# Altium PCB PCB1.PcbDoc (part 1 of 2)
Units mm, origin at the board's own origin, x right, y up, seen from the top; angles counter-clockwise.
Board outline 99.31 x 99.06 mm, 2 copper layers (Top Layer, Bottom Layer); 240 components, 194 nets, 883 pads, 354 vias.
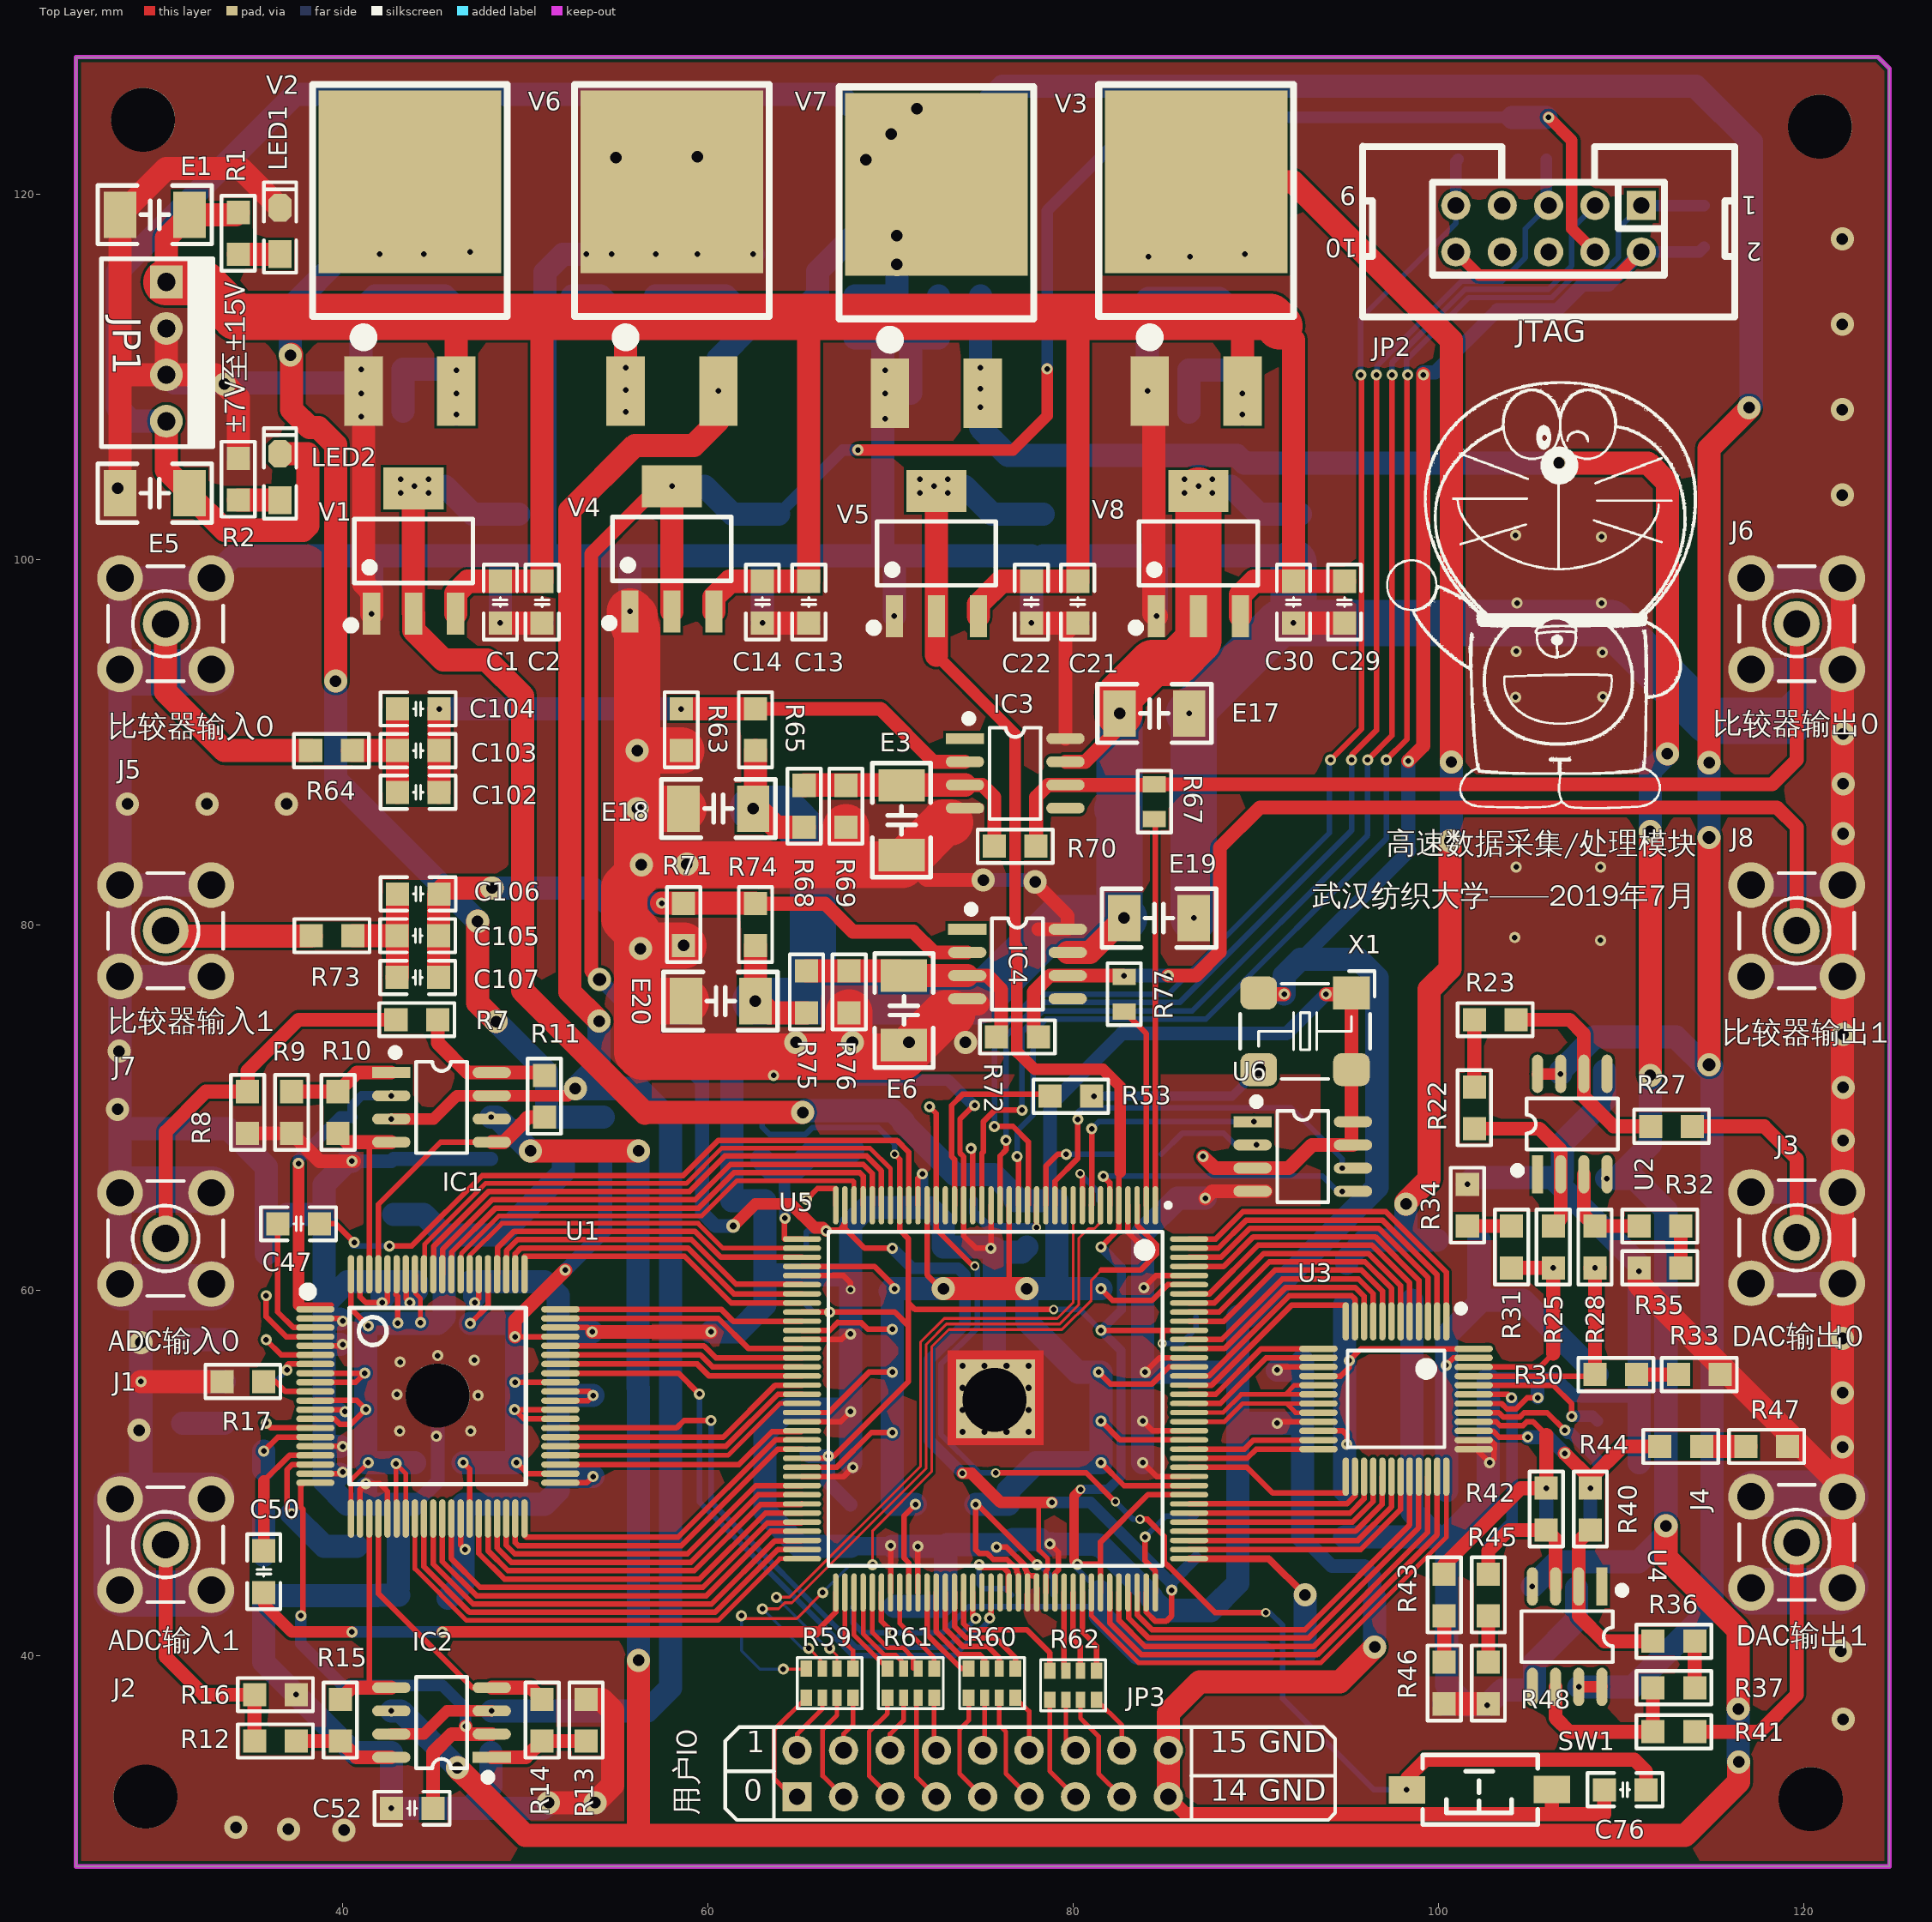
[diagram p0: Top Layer view]
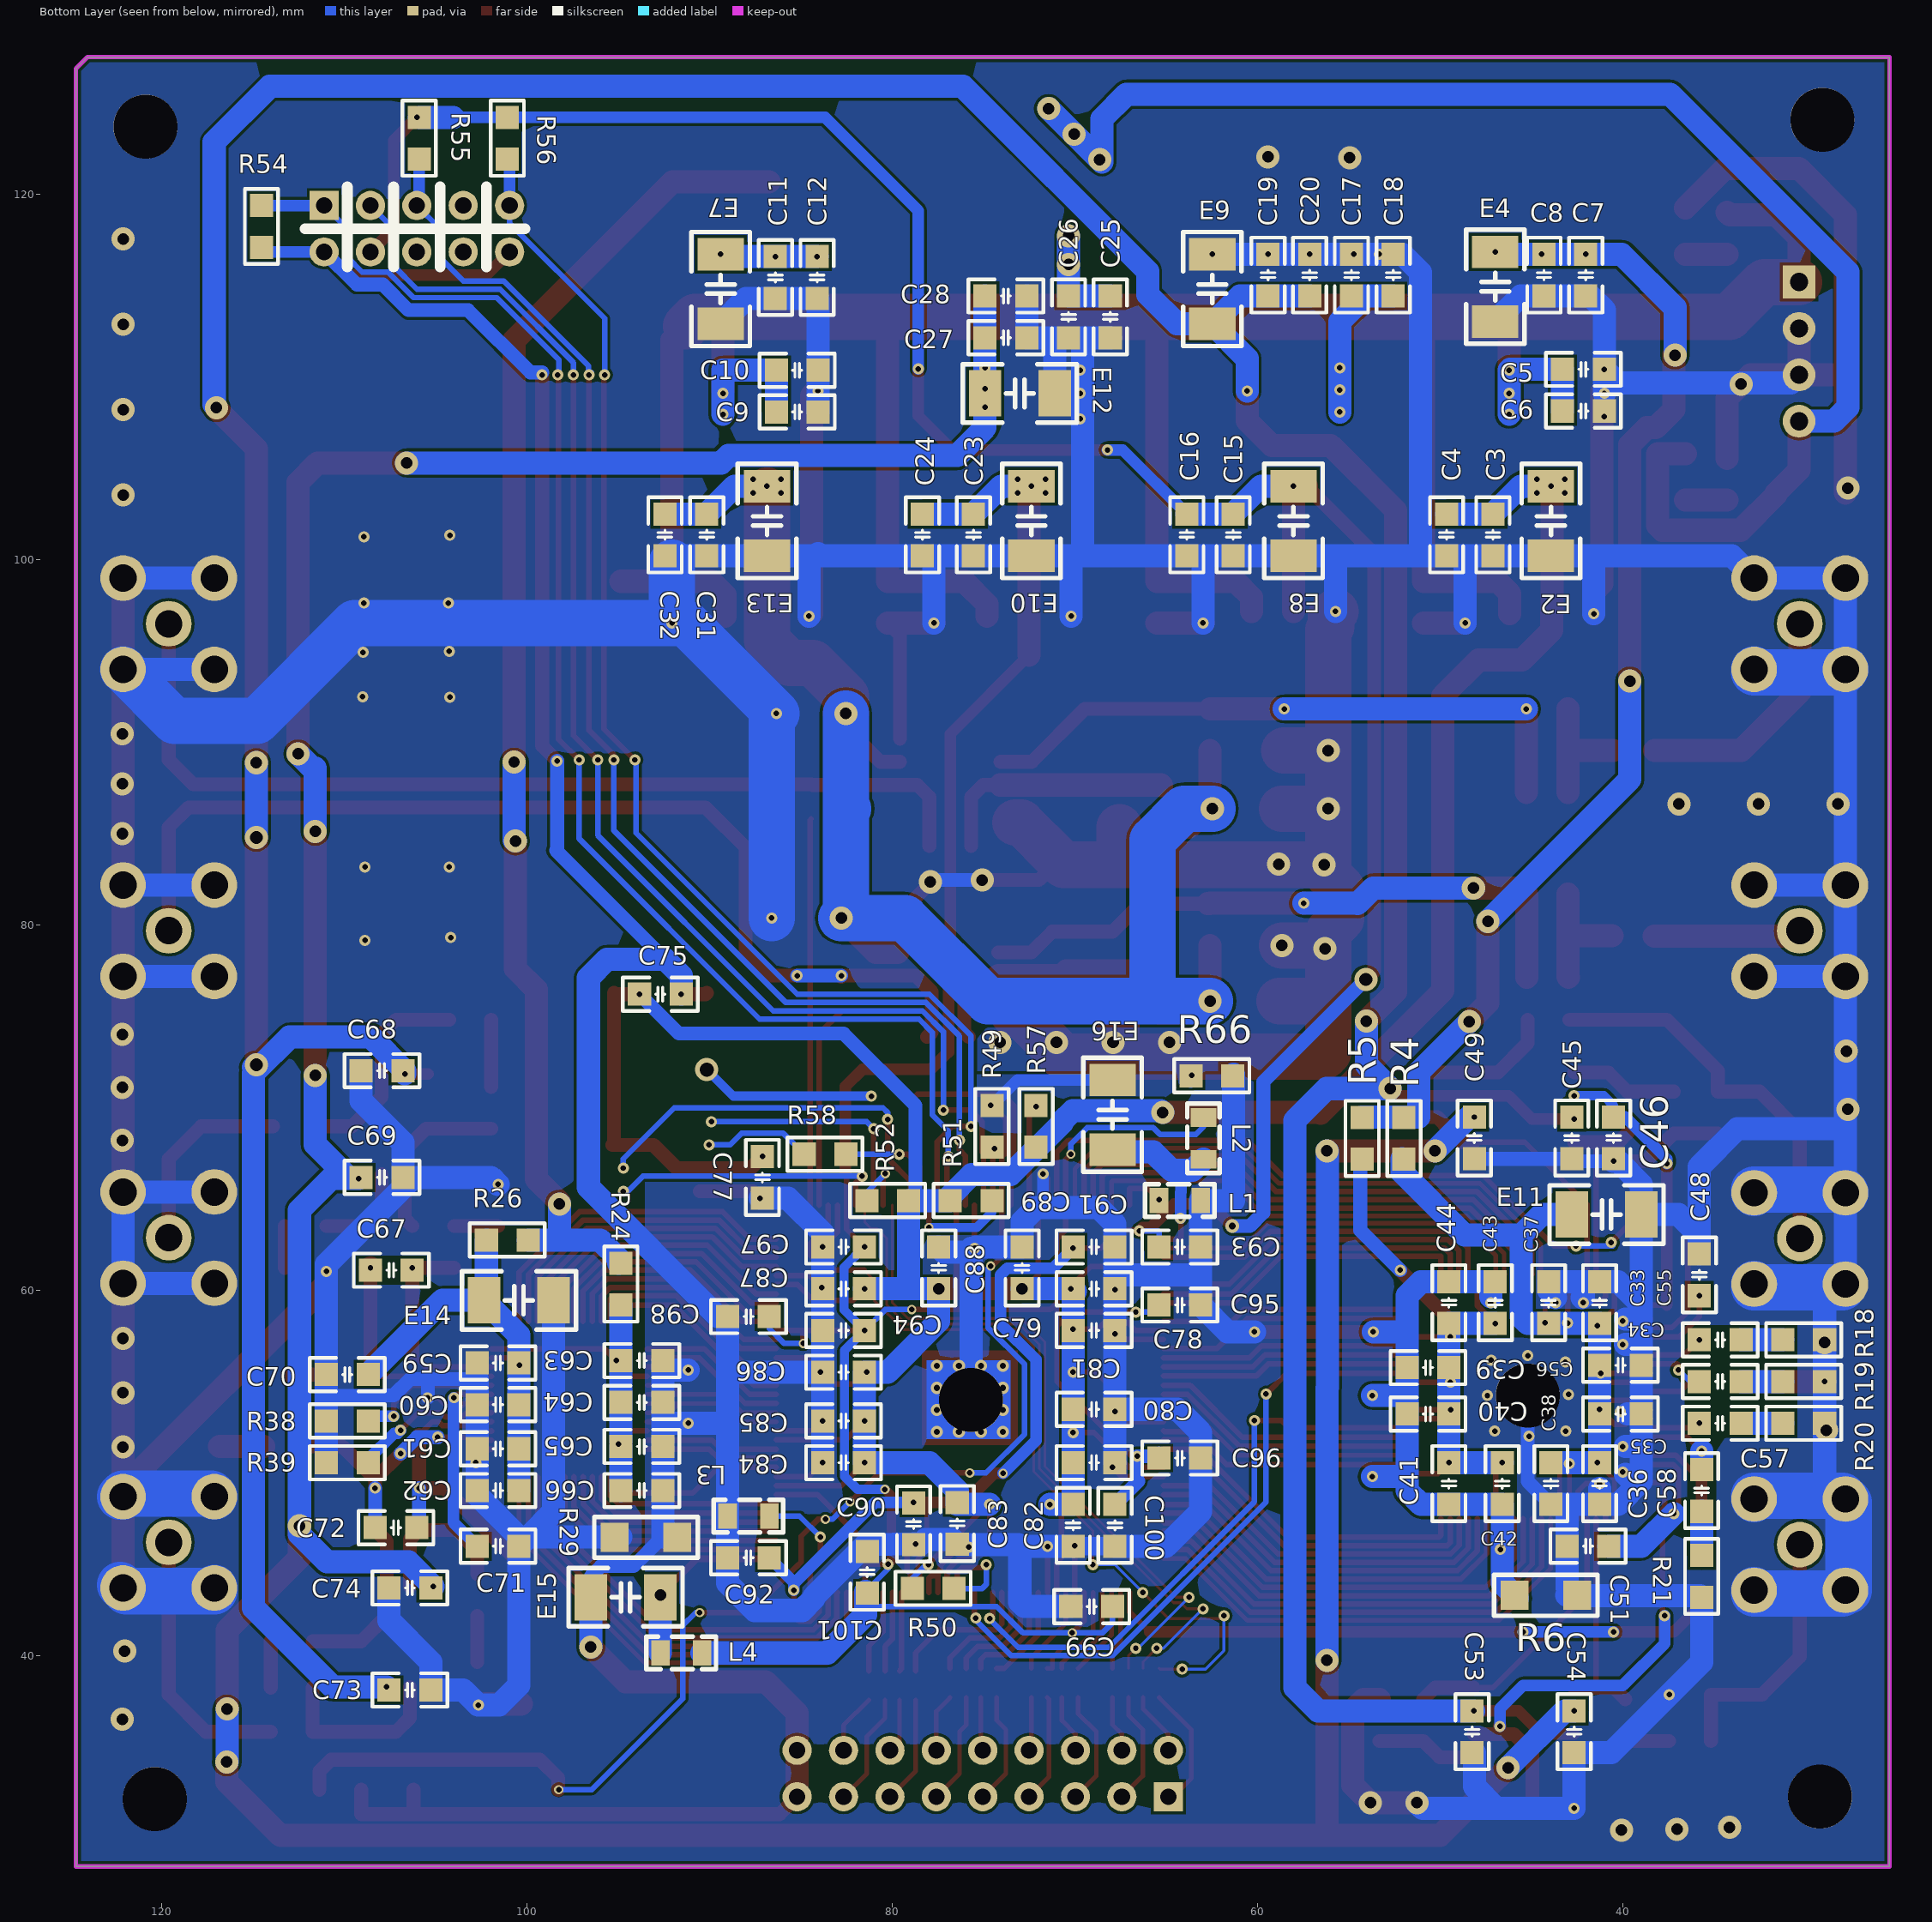
[diagram p1: Bottom Layer view, seen from below]

## Layer stack, top to bottom
Top Solder: solder mask 0.0102, Solder Resist, Dk 3.5
Top Layer: signal copper 0.0356
Dielectric 1: dielectric 0.32, FR-4, Dk 4.8
Bottom Layer: signal copper 0.0356
Bottom Solder: solder mask 0.0102, Solder Resist, Dk 3.5

## Board outline
25.4,28.448 25.4,127.508 124.079,127.508 124.714,126.873 124.714,28.448

## Design rules (kind name [scope] priority, off if disabled: settings)
Clearance [All] p1: gap=0.152 except(0.102: SMDPad-SMDPad)
PlaneConnect [All] p1: planeconnectstyle=Direct reliefexpansion=0.508 reliefentries=4 reliefconductorwidth=0.254 reliefairgap=0.254
PolygonConnect [All] p1: connectstyle=Direct reliefconductorwidth=0.254 reliefentries=4 polygonreliefangle="90 Angle" airgapwidth=0.254
RoutingVias [All] p1: holewidth=0.711 width=1.27 viastyle="Through Hole" minholewidth=0.711 minwidth=1.27 maxholewidth=0.711 maxwidth=1.27
SolderMaskExpansion [All] p1: expansion=0.102
Width [All] p1: maxlimit=2.54 minlimit=0.152 preferedwidth=0.508 minimp=50.000000 maximp=50.000000 favimp=50.000000
29 further rules are at their usual default settings.

## Classes and differential pairs
component class TLV3501: C102 C103 C104 C105 C106 C107 E3 E6 E17 E18 E19 E20 IC3 IC4 J5 J6 J7 J8 R63 R64 R65 R66 R67 R68 R69 R70 R71 R72 R73 R74 R75 R76 R77
component class Power: C1 C2 C3 C4 C5 C6 C7 C8 C9 C10 C11 C12 C13 C14 C15 C16 C17 C18 C19 C20 C21 C22 C23 C24 C25 C26 C27 C28 C29 C30 C31 C32 E1 E2 E4 E5 E7 E8 E9 E10 E12 E13 JP1 LED1 LED2 R1 R2 V1 V2 V3 V4 V5 V6 V7 V8
component class FPGA: C75 C76 C77 C78 C79 C80 C81 C82 C83 C84 C85 C86 C87 C88 C89 C90 C91 C92 C93 C94 C95 C96 C97 C98 C99 C100 C101 E15 E16 JP2 JP3 L1 L2 L3 L4 R49 R50 R51 R52 R53 R54 R55 R56 R57 R58 R59 R60 R61 R62 SW1 U5 U6 X1
component class DAC5672: C59 C60 C61 C62 C63 C64 C65 C66 C67 C68 C69 C70 C71 C72 C73 C74 E14 J3 J4 R22 R23 R24 R25 R26 R27 R28 R29 R30 R31 R32 R33 R34 R35 R36 R37 R38 R39 R40 R41 R42 R43 R44 R45 R46 R47 R48 U2 U3 U4
component class ADS5553: C33 C34 C35 C36 C37 C38 C39 C40 C41 C42 C43 C44 C45 C46 C47 C48 C49 C50 C51 C52 C53 C54 C55 C56 C57 C58 E11 IC1 IC2 J1 J2 R4 R5 R6 R7 R8 R9 R10 R11 R12 R13 R14 R15 R16 R17 R18 R19 R20 R21 U1

## Components (designator, comment, footprint, x,y, rotation, side; value= is the part's Value field where it differs from the comment)
C1 "10u" "C 0805_M" 48.641,97.663 r90 top
C2 "100n" "C 0805_M" 50.927,97.663 r90 top
C3 "100n" "C 0805_M" 47.117,101.346 r90 bottom
C4 "10u" "C 0805_M" 49.657,101.346 r90 bottom
C5 "10u" "C 0805_M" 42.164,110.414 r0 bottom
C6 "100n" "C 0805_M" 42.164,108.127 r0 bottom
C7 "10u" "C 0805_M" 42.037,115.57 r90 bottom
C8 "100n" "C 0805_M" 44.323,115.57 r90 bottom
C9 "10u" "C 0805_M" 85.217,108.077 r0 bottom
C10 "100n" "C 0805_M" 85.217,110.363 r0 bottom
C11 "10u" "C 0805_M" 86.411,115.443 r90 bottom
C12 "100n" "C 0805_M" 84.124,115.443 r90 bottom
C13 "10u" "C 0805_M" 65.532,97.663 r90 top
C14 "100n" "C 0805_M" 62.992,97.663 r90 top
C15 "100n" "C 0805_M" 61.341,101.346 r90 bottom
C16 "10u" "C 0805_M" 63.881,101.346 r90 bottom
C17 "10u" "C 0805_M" 54.864,115.57 r270 bottom
C18 "100n" "C 0805_M" 52.578,115.57 r270 bottom
C19 "100n" "C 0805_M" 59.436,115.57 r270 bottom
C20 "10u" "C 0805_M" 57.15,115.57 r270 bottom
C21 "10u" "C 0805_M" 80.264,97.663 r90 top
C22 "100n" "C 0805_M" 77.724,97.663 r90 top
C23 "100n" "C 0805_M" 75.565,101.346 r90 bottom
C24 "10u" "C 0805_M" 78.359,101.346 r90 bottom
C25 "10u" "C 0805_M" 68.072,113.284 r90 bottom
C26 "100n" "C 0805_M" 70.358,113.284 r90 bottom
C27 "100n" "C 0805_M" 73.787,112.141 r0 bottom
C28 "10u" "C 0805_M" 73.787,114.427 r0 bottom
C29 "10u" "C 0805_M" 94.869,97.663 r90 top
C30 "100n" "C 0805_M" 92.075,97.663 r90 top
C31 "100n" "C 0805_M" 90.17,101.346 r90 bottom
C32 "10u" "C 0805_M" 92.456,101.346 r90 bottom
C33 "100n" "C 0805_M" 41.275,59.309 r270 bottom
C34 "100n" "C 0805_M" 40.132,55.88 r0 bottom
C35 "100n" "C 0805_M" 40.132,53.213 r0 bottom
C36 "100n" "C 0805_M" 41.275,49.403 r90 bottom
C37 "100n" "C 0805_M" 44.069,59.309 r270 bottom
C38 "100n" "C 0805_M" 43.942,49.403 r90 bottom
C39 "100n" "C 0805_M" 50.673,55.752 r180 bottom
C40 "100n" "C 0805_M" 50.673,53.213 r180 bottom
C41 "100n" "C 0805_M" 49.53,49.403 r90 bottom
C42 "100n" "C 0805_M" 46.609,49.403 r90 bottom
C43 "100n" "C 0805_M" 46.99,59.309 r270 bottom
C44 "100n" "C 0805_M" 49.53,59.309 r270 bottom
C45 "100n" "C 0805_M" 42.8,68.326 r270 bottom
C46 "100n" "C 0805_M" 40.513,68.326 r90 bottom
C47 "100n" "C 0805_M" 37.592,63.627 r0 top
C48 "100n" "C 0805_M" 35.814,60.833 r270 bottom
C49 "100n" "C 0805_M" 48.133,68.326 r90 bottom
C50 "100n" "C 0805_M" 35.687,44.577 r270 top
C51 "100n" "C 0805_M" 41.91,45.974 r180 bottom
C52 "100n" "C 0805_M" 43.815,31.623 r0 top
C53 "100n" "C 0805_M" 48.26,35.814 r270 bottom
C54 "100n" "C 0805_M" 42.672,35.814 r90 bottom
C55 "1uf" "C 0805_M" 34.671,57.277 r0 bottom
C56 "1uf" "C 0805_M" 34.671,54.991 r0 bottom
C57 "1uf" "C 0805_M" 34.671,52.705 r0 bottom
C58 "1uf" "C 0805_M" 35.687,49.022 r90 bottom
C59 "104" "C 0805_M" 101.6,56.007 r180 bottom
C60 "104" "C 0805_M" 101.6,53.721 r180 bottom
C61 "104" "C 0805_M" 101.6,51.308 r180 bottom
C62 "104" "C 0805_M" 101.6,49.022 r180 bottom
C63 "104" "C 0805_M" 93.726,56.134 r0 bottom
C64 "104" "C 0805_M" 93.726,53.848 r0 bottom
C65 "104" "C 0805_M" 93.726,51.435 r0 bottom
C66 "104" "C 0805_M" 93.726,49.022 r0 bottom
C67 "104" "C 0805_M" 107.442,61.087 r0 bottom
C68 "104" "C 0805_M" 107.95,72.009 r180 bottom
C69 "104" "C 0805_M" 107.95,66.167 r0 bottom
C70 "104" "C 0805_M" 109.855,55.372 r180 bottom
C71 "104" "C 0805_M" 101.6,45.974 r180 bottom
C72 "104" "C 0805_M" 107.188,46.99 r180 bottom
C73 "104" "C 0805_M" 106.426,38.1 r0 bottom
C74 "104" "C 0805_M" 106.426,43.688 r180 bottom
C75 "104" "C 0805_M" 92.71,76.2 r0 bottom
C76 "100n" "C 0805_M" 110.236,32.639 r0 top
C77 "100n" "C 0805_M" 87.122,66.167 r90 bottom
C78 "104" "C 0805_M" 68.961,60.071 r0 bottom
C79 "104" "C 0805_M" 68.961,57.784 r0 bottom
C80 "104" "C 0805_M" 68.961,53.467 r0 bottom
C81 "104" "C 0805_M" 68.961,50.546 r0 bottom
C82 "104" "C 0805_M" 70.104,47.117 r90 bottom
C83 "104" "C 0805_M" 76.454,47.219 r90 bottom
C84 "104" "C 0805_M" 82.677,50.546 r180 bottom
C85 "104" "C 0805_M" 82.677,52.833 r180 bottom
C86 "104" "C 0805_M" 82.677,55.498 r180 bottom
C87 "104" "C 0805_M" 82.677,60.071 r180 bottom
C88 "104" "C 0805_M" 77.47,61.214 r270 bottom
C89 "104" "C 0805_M" 72.898,61.214 r270 bottom
C90 "104" "C 0805_M" 78.842,47.193 r90 bottom
C91 "104" "C 0805_M" 68.961,62.357 r0 bottom
C92 "104" "C 0805_M" 87.884,45.339 r180 bottom
C93 "104" "C 0805_M" 64.262,62.357 r0 bottom
C94 "104" "C 0805_M" 82.677,57.784 r180 bottom
C95 "104" "C 0805_M" 64.262,59.182 r0 bottom
C96 "104" "C 0805_M" 64.262,50.8 r0 bottom
C97 "104" "C 0805_M" 82.677,62.357 r180 bottom
C98 "104" "C 0805_M" 87.884,58.547 r180 bottom
C99 "104" "C 0805_M" 69.088,42.672 r180 bottom
C100 "104" "C 0805_M" 67.818,47.117 r90 bottom
C101 "104" "C 0805_M" 81.382,44.552 r270 bottom
C102 "47uf" "C 0805_M" 44.145,87.249 r0 top
C103 "47uf" "C 0805_M" 44.145,89.535 r0 top
C104 "47uf" "C 0805_M" 44.145,91.821 r0 top
C105 "47uf" "C 0805_M" 44.12,79.4 r0 top
C106 "47uf" "C 0805_M" 44.145,81.686 r0 top
C107 "47uf" "C 0805_M" 44.12,77.114 r0 top
E1 "10uF/16V" "C 1210_M" 29.718,118.872 r180 top
E2 "10uF/16V" "C 1210_M" 43.942,102.108 r270 bottom
E3 "10uF/16V" "C 1210_M" 70.612,85.725 r270 top
E4 "10uF/16V" "C 1210_M" 46.99,114.935 r270 bottom
E5 "10uF/16V" "C 1210_M" 29.718,103.632 r0 top
E6 "10uF/16V" "C 1210_M" 70.739,75.311 r270 top
E7 "10uF/16V" "C 1210_M" 89.408,114.808 r270 bottom
E8 "10uF/16V" "C 1210_M" 58.039,102.108 r270 bottom
E9 "10uF/16V" "C 1210_M" 62.484,114.808 r90 bottom
E10 "10uF/16V" "C 1210_M" 72.39,102.108 r270 bottom
E11 "10uF/16V" "C 1210_M" 40.894,64.135 r180 bottom
E12 "10uF/16V" "C 1210_M" 73.025,109.093 r180 bottom
E13 "10uF/16V" "C 1210_M" 86.868,102.108 r270 bottom
E14 "10uF/16V" "C 1210_M" 100.457,59.436 r180 bottom
E15 "10uF/16V" "C 1210_M" 94.615,43.18 r0 bottom
E16 "10uF/16V" "C 1210_M" 67.945,69.596 r90 bottom
E17 "10uF/16V" "C 1210_M" 84.455,91.567 r0 top
E18 "10uF/16V" "C 1210_M" 60.579,86.36 r180 top
E19 "10uF/16V" "C 1210_M" 84.709,80.364 r0 top
E20 "10uF/16V" "C 1210_M" 60.706,75.819 r180 top
IC1 "THS4503" SOP8_M#1 45.422,56.487 r0 top
IC2 "THS4503" SOP8_M#2 45.422,36.322 r180 top
IC3 "TLV3501" SOP8_M#2 76.835,88.289 r0 top
IC4 "TLV3501" SOP8_M#2 76.962,77.849 r0 top
J1 "SMA" SMA_FR#1 30.311,62.825 r90 top
J2 "SMA" SMA_FR#2 30.313,46.061 r90 top
J3 "SMA" SMA_FR#1 119.634,62.867 r270 top
J4 "SMA" SMA_FR#1 119.634,46.186 r270 top
J5 "SMA" SMA_FR#1 30.313,96.48 r90 top
J6 "SMA" SMA_FR#1 119.634,96.48 r270 top
J7 "SMA" SMA_FR#1 30.313,79.674 r90 top
J8 "SMA" SMA_FR#1 119.634,79.674 r270 top
JP1 "HDR-1X4" KF2510-LI-4P 30.353,111.379 r270 top
JP2 "Header 5X2" IDC2.54-LI-2x5P 111.125,119.38 r180 top
JP3 "Header 9X2" HDR2.54-LI-2x9P 75.057,33.528 r0 top
L1 "10uH" "L 0805" 64.262,64.897 r180 bottom
L2 "10uH" "L 0805" 62.967,68.301 r270 bottom
L3 "10uH" "L 0805" 87.884,47.625 r0 bottom
L4 "10uH" "L 0805" 91.567,40.132 r0 bottom
LED1 "红色" "LED 0805G" 36.576,117.983 r90 top
LED2 "红色" "LED 0805G" 36.576,104.521 r90 top
R1 "4.7k" "R 0805_M" 34.29,117.856 r270 top
R2 "4.7k" "R 0805_M" 34.29,104.394 r270 top
R4 "0R" "R 0805_M" 51.994,68.301 r270 bottom
R5 "0R" "R 0805_M" 54.28,68.301 r90 bottom
R6 "0R" "R 1206_M" 44.221,43.282 r0 bottom
R7 "200R" "R 0805_M" 44.069,74.803 r180 top
R8 "62R" "R 0805_M" 34.798,69.723 r270 top
R9 "240R" "R 0805_M" 37.211,69.723 r90 top
R10 "240R" "R 0805_M" 39.751,69.723 r90 top
R11 "240R" "R 0805_M" 51.054,70.612 r90 top
R12 "200R" "R 0805_M" 36.322,35.306 r180 top
R13 "240R" "R 0805_M" 53.34,36.449 r270 top
R14 "240R" "R 0805_M" 50.927,36.449 r270 top
R15 "240R" "R 0805_M" 39.878,36.449 r270 top
R16 "62R" "R 0805_M" 36.322,37.846 r180 top
R17 "56k" "R 0805_M" 34.544,54.991 r0 top
R18 "20Ω" "R 0805_M" 30.099,57.277 r0 bottom
R19 "20Ω" "R 0805_M" 30.099,54.991 r0 bottom
R20 "20Ω" "R 0805_M" 30.099,52.705 r0 bottom
R21 "20Ω" "R 0805_M" 35.687,44.323 r90 bottom
R22 "200R" "R 0805_M" 101.981,69.977 r270 top
R23 "200R" "R 0805_M" 103.124,74.803 r180 top
R24 "0R" "R 0805_M" 94.869,60.325 r270 bottom
R25 "200R" "R 0805_M" 106.3,62.357 r270 top
R26 "0R" "R 0805_M" 101.092,62.738 r180 bottom
R27 "49.9R" "R 0805_M" 112.776,68.961 r0 top
R28 "200R" "R 0805_M" 108.586,62.357 r270 top
R29 "0R" "R 1206_M" 93.497,46.457 r0 bottom
R30 "24R" "R 0805_M" 109.728,55.372 r180 top
R31 "24R" "R 0805_M" 104.013,62.357 r90 top
R32 "200R" "R 0805_M" 112.141,63.5 r0 top
R33 "2R" "R 0805_M" 114.3,55.372 r180 top
R34 "4.7R" "R 0805_M" 101.6,64.643 r90 top
R35 "200R" "R 0805_M" 112.141,61.214 r180 top
R36 "200R" "R 0805_M" 112.903,40.767 r180 top
R37 "200R" "R 0805_M" 112.903,38.227 r0 top
R38 "2K" "R 0805_M" 109.855,52.832 r0 bottom
R39 "2K" "R 0805_M" 109.855,50.546 r0 bottom
R40 "200R" "R 0805_M" 108.331,48.006 r90 top
R41 "49.9R" "R 0805_M" 112.903,35.814 r0 top
R42 "200R" "R 0805_M" 105.918,48.006 r90 top
R43 "24R" "R 0805_M" 100.33,43.307 r90 top
R44 "24R" "R 0805_M" 113.284,51.435 r0 top
R45 "200R" "R 0805_M" 102.743,43.307 r90 top
R46 "2R" "R 0805_M" 100.33,38.481 r90 top
R47 "4.7R" "R 0805_M" 117.983,51.435 r0 top
R48 "200R" "R 0805_M" 102.743,38.481 r270 top
R49 "10K" "R 0805_M" 74.549,68.961 r270 bottom
R50 "10k" "R 0805_M" 77.775,43.663 r180 bottom
R51 "10k" "R 0805_M" 75.692,64.897 r180 bottom
R52 "10k" "R 0805_M" 80.264,64.897 r0 bottom
R53 "33R" "R 0805_M" 79.883,70.612 r180 top
R54 "10K" "R 0805_M" 114.554,118.237 r270 bottom
R55 "10K" "R 0805_M" 105.918,123.063 r90 bottom
R56 "10K" "R 0805_M" 101.092,123.063 r90 bottom
R57 "10K" "R 0805_M" 72.136,68.961 r270 bottom
R58 "22R" "R 0805_M" 83.693,67.437 r180 bottom
R59 "100R" RCA-8P4R-0603 66.675,38.481 r0 top
R60 "100R" RCA-8P4R-0603 75.565,38.481 r0 top
R61 "100R" RCA-8P4R-0603 71.12,38.481 r180 top
R62 "100R" RCA-8P4R-0603 80.01,38.354 r0 top
R63 "47K" "R 0805_M" 58.547,90.678 r270 top
R64 "56R" "R 0805_M" 39.395,89.535 r180 top
R65 "47K" "R 0805_M" 62.611,90.678 r90 top
R66 "0R" "R 0805_M" 62.509,71.73 r0 bottom
R67 "1K" "R 0805_L" 84.455,86.741 r270 top
R68 "56R" "R 0805_M" 65.278,86.487 r270 top
R69 "56R" "R 0805_M" 67.564,86.487 r90 top
R70 "1K" "R 0805_M" 76.835,84.302 r180 top
R71 "47K" "R 0805_M" 58.674,80.01 r270 top
R72 "1K" "R 0805_M" 76.962,73.862 r180 top
R73 "56R" "R 0805_M" 39.421,79.4 r180 top
R74 "47K" "R 0805_M" 62.611,80.01 r90 top
R75 "56R" "R 0805_M" 65.405,76.327 r270 top
R76 "56R" "R 0805_M" 67.742,76.327 r90 top
R77 "1K" "R 0805_L" 82.804,76.2 r270 top
SW1 "3x6x5" "TSW SMD-3*6*2.5" 102.235,32.639 r180 top
U1 "ADS5553" "LQFP80 12x12_M" 45.212,54.197 r270 top
U2 "OPA" SOP8_M#2 107.341,69.088 r90 top
U3 "DAC5672" "TQFP48 7x7_M" 97.691,54.035 r180 top
U4 "OPA" SOP8_M#2 107.061,41.021 r270 top
U5 "EP4CE6E22C8" EQFP144_M 75.76,54.042 r270 top
U6 "EPCS4N/16" SOP8_M#2 92.583,67.31 r0 top
V1 "AMS1117-3V3" SOT223_M 43.892,100.457 r0 top
V2 "LM1085-3V3" TO263 43.688,120.67 r0 top
V3 "LM1085-3V3" TO263 86.741,120.67 r0 top
V4 "AMS1117-2V5" SOT223_M 58.039,100.584 r0 top
V5 "AMS1117-1V2" SOT223_M 72.517,100.33 r0 top
V6 "78M05" TO263 58.039,120.67 r0 top
V7 "79M05" TO263 72.517,120.543 r0 top
V8 "AMS1117-3V3" SOT223_M 86.868,100.33 r0 top
X1 "XTAL-ACT-4P" "OSC 7050-4P" 92.71,74.168 r180 top
